# Altium PCB S7CAS-PLEIADES-CARTE-MERE_Pxx.PcbDoc (part 6 of 8)
Units mil, origin at the board's own origin, x right, y up, seen from the top; angles counter-clockwise.
Board outline 8000 x 4000 mil, 14 copper layers (L1, L2 (GND), L3, L4 (GND), L5, L6 (GND), L7 (PWR), L8 (GND), L9 (PWR), L10 (GND), L11 (GND), L12, L13 (GND), L14), stack 81.971 mil thick; 686 components, 434 nets, 2811 pads, 1136 vias.
Unrouted connection lines stored in the file: 1167.
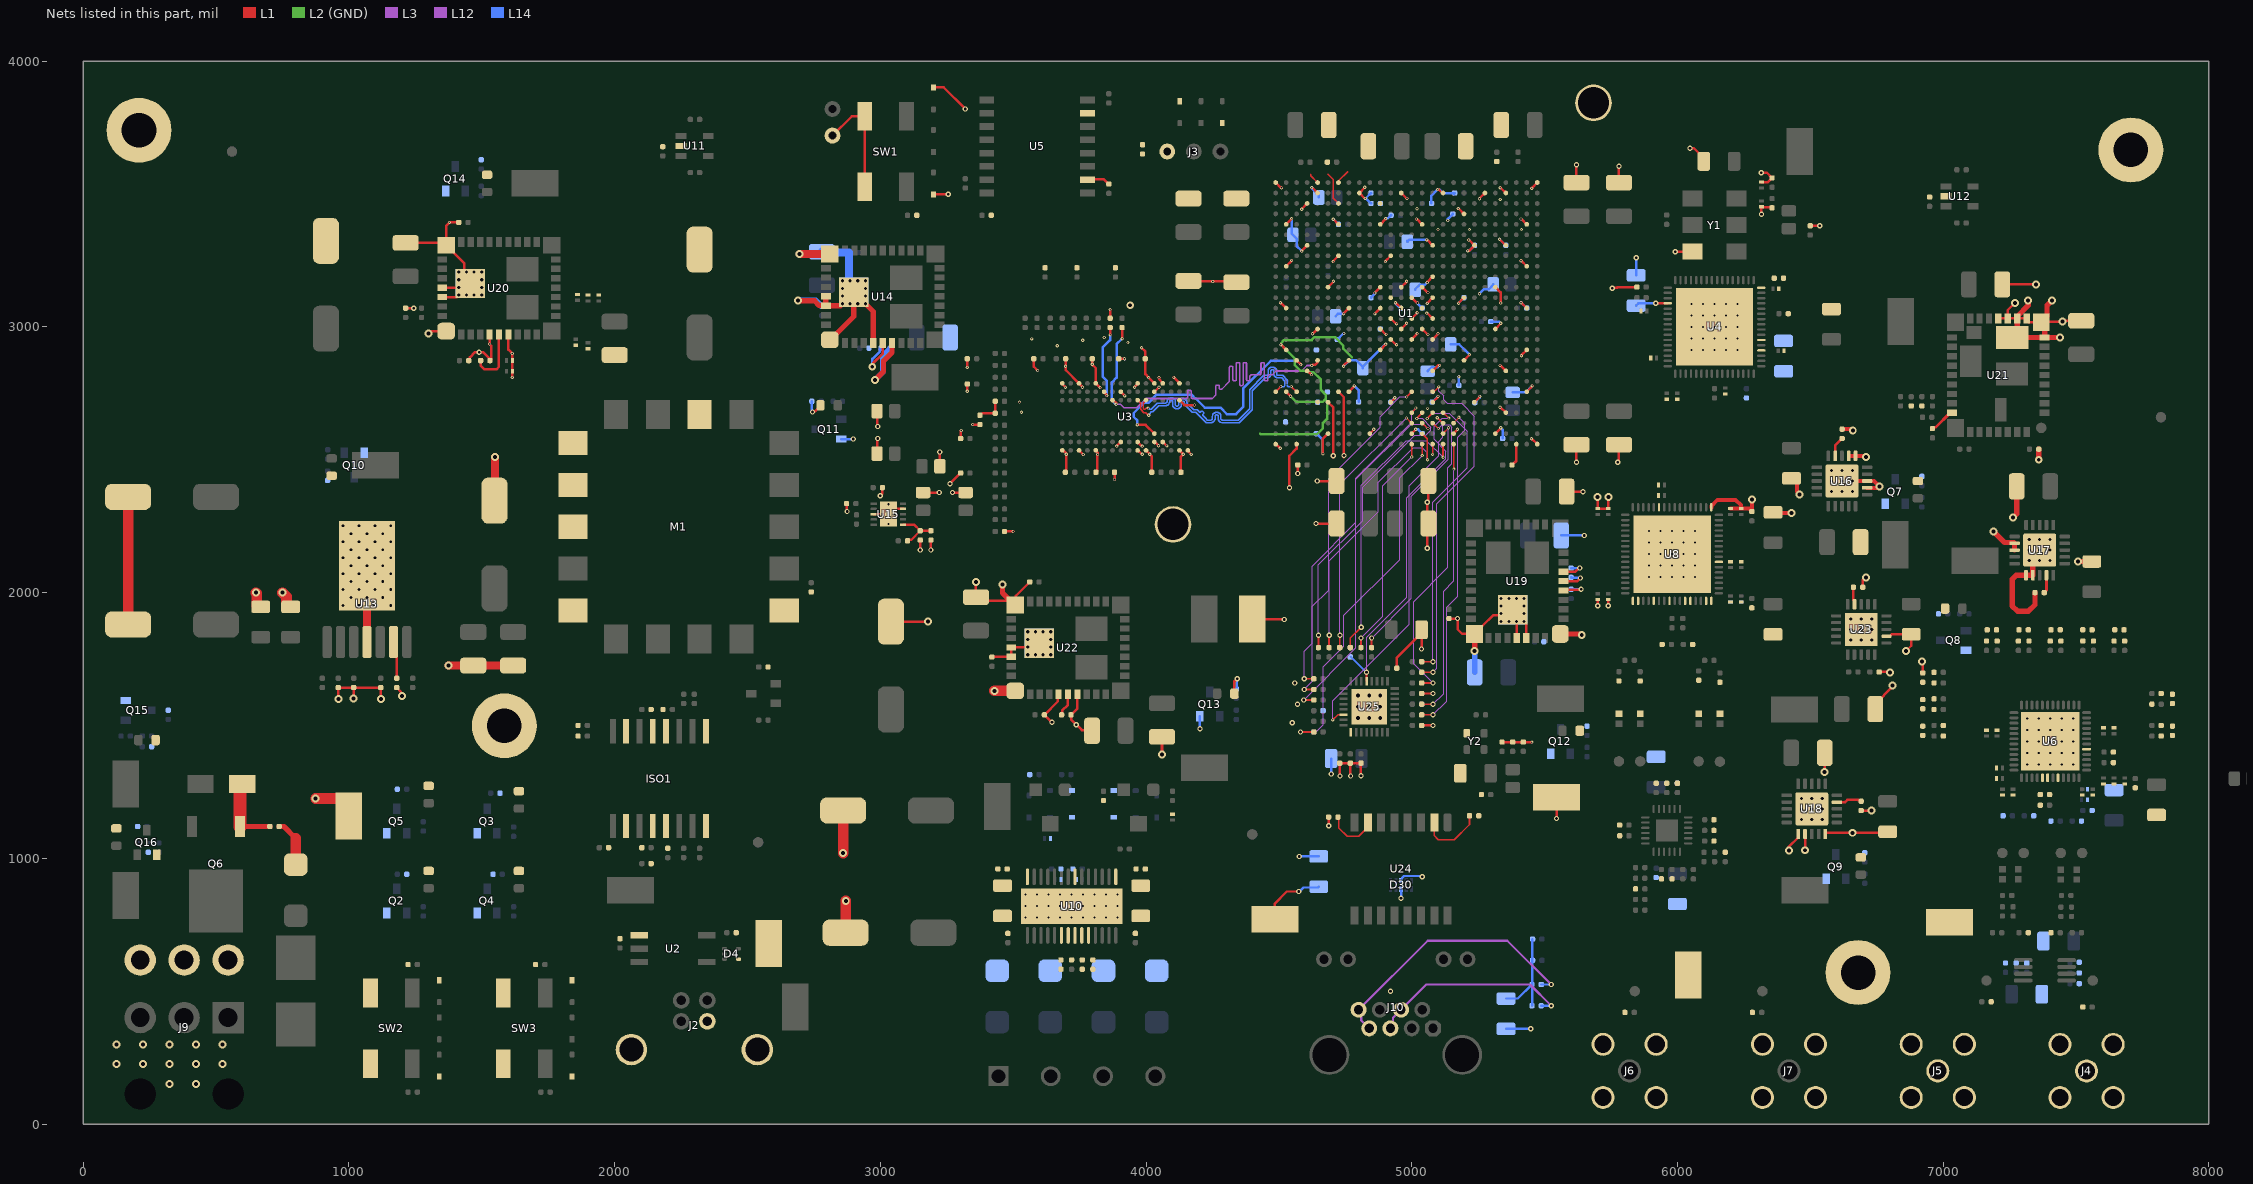
[diagram p17: the nets of this part, all layers, seen from the top]

## Via types
v1: diameter 12, hole 6, L1 to L14, tented both sides, 492 vias
v2: diameter 30, hole 15, L1 to L14, tented both sides, 226 vias
v3: diameter 20, hole 10, L1 to L14, tented both sides, 208 vias
v4: diameter 19.68, hole 7.87, L1 to L14, tented both sides, 106 vias
v5: diameter 19.68, hole 11.81, L1 to L14, tented both sides, 48 vias
v6: diameter 22, hole 12, L1 to L14, tented both sides, 27 vias
v7: diameter 19.68, hole 11.81, L1 to L14, 15 vias
v8: diameter 28, hole 14, L1 to L14, tented both sides, 10 vias
v9: diameter 19.68, hole 7.87, L1 to L14, 4 vias

## Nets (pads, with @x,y where several pads share a name; then routed paths per layer and width w, separated by ;. In a path a pad name is that pad's centre, name@x,y a point inside that pad or via, vN(x,y) a via of type N, cw(c..) or ccw(c..) an arc to the next point about the centre after c; other vN are vias at no path point) (continued)
GND: C1.1 C2.1 C3.1 C4.1 C7.1 C8.1 C9.1 C10.1 C11.1 C12.1 C13.1 C15.1 C16.1 C18.1 C19.1 C20.1 C21.1 C22.1 C23.1 C24.1 C25.1 C26.1 C27.1 C28.1 C29.1 C30.1 C31.1 C32.1 C33.1 C34.1 C35.1 C36.1 C37.1 C38.1 C39.1 C40.1 C41.1 C42.1 C43.1 C44.1 C45.1 C47.1 C48.1 C49.1 C50.1 C51.1 C53.1 C54.1 C55.1 C56.1 C57.1 C59.1 C60.1 C61.1 C62.1 C63.1 C65.1 C66.1 C67.1 C68.1 C69.1 C70.1 C71.1 C72.1 C73.1 C74.1 C75.1 C76.1 C77.1 C78.1 C79.1 C80.1 C81.1 C82.1 C83.1 C84.1 C85.1 C86.1 C87.1 C88.1 C89.1 C90.1 C91.1 C92.1 C93.1 C94.1 C95.1 C97.1 C98.1 C99.1 C100.1 C101.1 C102.1 C103.1 C105.1 C106.1 C107.1 C108.1 C109.1 C110.1 C111.1 C112.1 C113.1 C114.1 C115.1 C116.1 C117.1 C118.1 C119.1 C120.1 C121.1 C122.1 C123.1 C124.1 C125.1 C126.1 C127.1 C128.1 C129.1 C130.1 C133.1 C136.1 C137.1 C138.1 C141.1 C144.1 C145.1 C146.1 C147.1 C149.1 C151.1 C152.1 C153.1 C156.1 C157.1 C158.1 C161.1 C162.1 C164.1 C165.1 C166.1 C167.1 C170.1 C171.1 C172.1 C173.1 C174.1 C175.1 C176.1 C177.1 C178.1 C179.1 C182.1 C183.1 C184.1 C186.1 C187.1 C188.1 C189.1 C190.1 C191.1 C192.1 C194.1 C195.1 C196.1 C197.1 C198.2 C199.2 C200.1 C201.1 C202.1 C203.1 C204.1 C205.1 C206.1 C207.1 C208.1 C209.1 C210.1 C211.1 C212.1 C213.2 C214.2 C215.2 C216.1 C217.1 C219.2 C220.1 C238.1 C239.1 C241.1 C242.1 C243.1 C244.1 C245.1 C246.1 C247.2 C248.1 C249.2 C250.2 C251.1 C252.1 C253.2 C254.1 C255.1 C256.1 C258.1 C259.2 C260.1 C262.1 C264.1 C266.1 C267.2 C268.1 C269.1 C270.1 C271.1 C272.1 C273.1 C274.1 C275.1 C276.1 C277.1 C278.1 C279.1 C280.1 C281.1 C282.1 C283.1 C284.1 C285.1 C286.1 C287.1 C288.1 C289.1 C290.1 C291.1 C292.1 C293.1 C294.1 C295.1 C296.1 C297.1 C298.1 C299.1 C300.1 C301.1 C302.1 C303.1 C304.1 D2.2 D3.2 D6.2 D7.2 D8.2 D9.2 D10.2 D11.2 D14.2 D15.2 D16.2 D17.2 D24.2 D25.2 D26.2 D27.2 D29.2 HEAT1.1 HEAT1.2 ISO1.9 ISO1.15 J1.2 J4.2 J4.3 J4.4 J4.5 J5.2 J5.3 J5.4 J5.5 J6.2 J6.3 J6.4 J6.5 J7.2 J7.3 J7.4 J7.5 J9.4 J9.5 J9.6 M1.1 M1.7 M1.14 MTH1.1 MTH2.1 MTH3.1 MTH4.1 Q2.2 Q3.2 Q4.2 Q5.2 Q7.2 Q8.2 Q9.2 Q10.2 Q11.2 Q12.2 Q13.2 Q14.2 Q15.2 Q16.2 R1.1 R2.1 R3.1 R8.1 R22.1 R24.1 R48.1 R50.1 R53.2 R54.2 R56.1 R63.1 R65.1 R66.1 R83.1 R85.1 R86.1 R91.1 R92.1 R93.1 R97.1 R101.2 R105.1 R109.2 R110.1 R111.1 R114.2 R116.1 R117.1 R119.1 R120.1 R122.2 R139.1 R140.1 R141.1 R142.1 R144.1 R145.1 R147.1 R148.1 R149.1 R150.1 R151.1 R152.1 R154.1 R155.1 R157.1 R161.1 R162.1 R163.1 R164.1 R228.1 R252.1 R253.1 SW1.1 SW1.2 SW2.1 SW2.2 SW3.1 SW3.2 TP8.1 TP12.1 TP27.1 TP34.1 TP35.1 U1.A1 U1.A26 U1.AB2 U1.AB12 U1.AB16 U1.AB20 U1.AB25 U1.AC8 U1.AD23 U1.AE6 U1.AE10 U1.AE14 U1.AE18 U1.AE22 U1.AF1 U1.AF26 U1.B5 U1.B9 U1.B13 U1.B17 U1.B21 U1.D4 U1.E7 U1.E11 U1.E15 U1.E22 U1.F2 U1.F19 U1.F25 U1.H4 U1.H11 U1.H23 U1.J8 U1.J19 U1.K2 U1.K16 U1.K25 U1.L11 U1.L13 U1.L15 U1.M5 U1.M12 U1.M14 U1.M16 U1.M22 U1.N11 U1.N13 U1.N15 U1.P2 U1.P12 U1.P14 U1.P16 U1.P19 U1.P25 U1.R8 U1.R11 U1.R13 U1.R15 U1.T5 U1.T12 U1.T14 U1.T16 U1.T21 U1.U11 U1.V2 U1.V25 U1.W15 U1.W20 U1.Y4 U1.Y7 U1.Y11 U1.Y23 U2.4 U3.A9 U3.B1 U3.B3 U3.B9 U3.D1 U3.D8 U3.E1 U3.E2 U3.E8 U3.F9 U3.G1 U3.G8 U3.G9 U3.J2 U3.J8 U3.M1 U3.M9 U3.P1 U3.P9 U3.T1 U3.T9 U4.36 U4.PAD U5.10 U6.5 U6.41 U6.44 U6.PAD U8.17 U8.18 U8.21 U8.24 U8.27 U8.28 U8.31 U8.32 U8.39 U8.49 U8.59 U8.PAD U10.7 U10.21 U10.PAD U11.2 U12.2 U13.4 U13.8 U14.1 U14.5 U14.7 U14.29 U14.33 U14.34 U14.37 U15.4 U15.8 U15.11 U16.7 U16.8 U16.11 U16.12 U16.E1 U17.7 U17.8 U17.11 U17.12 U17.E1 U18.6 U18.7 U18.10 U18.E1 U19.1 U19.5 U19.7 U19.29 U19.33 U19.34 U19.37 U20.1 U20.5 U20.7 U20.29 U20.33 U20.34 U20.37 U21.10 U21.11 U21.12 U21.13 U21.14 U21.15 U21.39 U22.1 U22.5 U22.7 U22.29 U22.33 U22.34 U22.37 U23.7 U23.21 U25.1 U25.33 U25.34 U25.35 U25.36 U25.37 U25.38 U25.39 U25.40 U25.41 U25.42 Y1.3 Y2.2 | length 21191.7
  L1 w9.39: J1.2@2820,3720 2892.87,3792.87 SW1.2@2941.26,3792.87 SW1.1@2941.26,3527.13 ; D3.2@3200,3498.66 v3(3255.66,3498.66) ; D2.2@3200,3901.34 3238.66,3901.34 v3(3320,3820) ; v2(3360,2040) C260.1@3360,1982.99 3373.02,1969.97 U22.29@3488.81,1969.97 ; R164.1@3420,1757.5 3420.38,1757.88 3492.45,1757.88 U22.34@3492.83,1758.27 U22.33@3492.83,1793.7 3553.46,1793.7 v5(3554.84,1795.08) ; U22.29@3507.6,1953.15 3510.5,1956.05 3510.5,1988 R162.1@3562.5,2040 ; C81.1@3577.5,2880 3577.5,2850.5 v1(3592,2836) ; v3(3646,1511.5) R163.1@3617.5,1540 3667.74,1590.24 3667.74,1614.27 U22.5@3670.98,1617.52 ; v1@3697.47,2851.69 C80.1@3697.5,2880 ; v1@3697.5,2851.5 3698,2851 3698,2837.42 U3.P1@3748.02,2787.4 U3.P1@3748.02,2786.38 ; U22.7@3741.85,1617.52 3741.85,1564.35 C220.1@3717.5,1540 3718.06,1539.44 3718.06,1522.94 3758.9,1482.1 3794.91,1482.1 C262.1@3797.01,1480 ; U5.10@3780,3554 3781,3555 3841.79,3555 3859.29,3537.5 C95.1@3860,3537.5 ; v1(3797.5,2859.5) C75.1@3797.5,2880 ; C79.1@3897.5,2880 v1(3918.99,2880) ; v1(3983.31,2921.69) 3997.5,2907.49 C82.1@3997.5,2880 ; TP27.1@4400,1900 4519,1900 v3(4520,1899) ; U1.A26@4488.18,2559.05 4489.54,2559.05 v1(4505.02,2543.57) ; U1.AF26@4488.18,3543.3 4507.95,3523.53 4509.54,3523.53 v1(4510.04,3523.03) ; v1(4505.69,3091.13) 4506.19,3090.63 4507.78,3090.63 U1.P25@4527.55,3070.86 ; v1(4507.87,2933.07) U1.K25@4527.55,2913.38 ; U1.F25@4527.55,2755.9 4527.55,2755.68 4544,2739.23 v1(4544,2739) ; U1.V25@4527.55,3228.34 4547.32,3248.11 4547.32,3249.7 v1(4547.82,3250.2) ; U1.AB25@4527.55,3385.82 4547.32,3405.59 4547.32,3407.18 v1(4547.82,3407.68) ; v1(4586.02,3285.22) 4586.52,3285.72 4586.52,3287.31 U1.Y23@4606.29,3307.08 ; v1(4586.02,3442.7) 4586.52,3443.2 4586.52,3444.79 U1.AD23@4606.29,3464.56 ; U1.H23@4606.29,2834.64 4608.04,2834.64 4622.29,2820.38 v1(4623,2820.38) ; v1(4623.8,3524.2) 4624.3,3523.7 4625.89,3523.7 U1.AE22@4645.66,3503.93 ; v1(4626.65,2974.04) 4627.12,2974.04 U1.M22@4645.19,2992.12 ; v3(4640,2260) C31.1@4717.01,2260 ; v3(4645,2420) C32.1@4717.01,2420 ; U1.T21@4685.03,3149.6 4704.8,3169.37 4704.8,3170.96 v1(4705.3,3171.46) ; v3(4687.5,1122.5) C238.1@4687.5,1155 ; v1(4704.13,3245.85) 4704.63,3246.35 4704.63,3247.94 U1.W20@4724.4,3267.71 ; v1(4705,3405) 4705.11,3405 4724.29,3385.82 U1.AB20@4724.4,3385.82 ; v3(4730,1310) 4729.05,1310.95 C245.1@4729.05,1358.01 C246.1@4769.05,1358.01 ; v1(4743.5,2852.15) 4744,2852.65 4744,2854.24 U1.J19@4763.77,2874.01 ; v1(4743.5,3049) 4744,3049.5 4744,3051.09 U1.P19@4763.77,3070.86 ; U1.F19@4763.77,2755.9 4783.54,2775.67 4783.54,2777.26 v1(4784.04,2777.76) ; v3(4770,1310) 4769.05,1310.95 C246.1@4769.05,1358.01 ; v3(4809.05,1310.95) C242.1@4809.05,1358.01 C246.1@4769.05,1358.01 ; v1(4823.41,3525.79) 4822.91,3525.29 4822.91,3523.7 U1.AE18@4803.14,3503.93 4822.91,3484.16 4824.5,3484.16 v1(4825,3483.66) ; U1.B17@4842.51,2598.42 4857.02,2612.93 4857.02,2614.5 v1(4857.52,2615) ; v1(4861.61,3049) 4862.11,3049.5 4862.11,3051.09 U1.P16@4881.88,3070.86 ; v1(4861.61,3127.74) 4862.11,3128.24 4862.11,3129.83 U1.T16@4881.88,3149.6 ; U1.K16@4881.88,2913.38 4901.65,2933.15 4901.65,2934.74 v1(4902.15,2935.24) ; U1.M16@4881.88,2992.12 4901.65,2972.35 4903.24,2972.35 v1(4903.74,2971.85) ; U1.AB16@4881.88,3385.82 4901.65,3405.59 4901.65,3407.18 v1(4902.15,3407.68) ; v1(4900.98,3245.85) 4901.48,3246.35 4901.48,3247.94 U1.W15@4921.25,3267.71 ; U1.E15@4921.25,2716.53 4935.76,2731.04 4935.76,2732.61 v1(4936.26,2733.11) ; U1.L15@4921.25,2952.75 4941.02,2932.98 4942.61,2932.98 v1(4943.11,2932.48) ; U1.N15@4921.25,3031.49 4941.02,3011.72 4942.61,3011.72 v1(4943.11,3011.22) ; v1(4938.76,3091.13) 4939.26,3090.63 4940.85,3090.63 U1.P14@4960.62,3070.86 ; C244.1@4944.05,1715.51 4944.05,1755.05 C243.1@5037,1848 ; U1.M14@4960.62,2992.12 4980.39,3011.89 4980.39,3013.48 v1(4980.89,3013.98) ; U1.T14@4960.62,3149.6 4980.39,3169.37 4980.39,3170.96 v1(4980.89,3171.46) ; U1.AE14@4960.62,3503.93 4980.39,3484.16 4981.98,3484.16 v1(4982.48,3483.66) ; U1.B13@4999.99,2598.42 5014.5,2612.93 5014.5,2614.5 v1(5015,2615) ; U1.L13@4999.99,2952.75 5019.76,2972.52 5019.76,2974.11 v1(5020.26,2974.61) ; U1.N13@4999.99,3031.49 5019.76,3051.26 5019.76,3052.85 v1(5020.26,3053.35) ; U1.R13@4999.99,3110.23 5019.76,3090.46 5021.35,3090.46 v1(5021.85,3089.96) ; v1(5017.5,3406.09) 5018,3405.59 5019.59,3405.59 U1.AB12@5039.36,3385.82 ; v3(5037,1788) C243.1@5037,1848 ; C243.1@5037,1860 C243.1@5037,1848 ; R228.1@5037.5,1500 v3(5080,1500) ; U1.M12@5039.36,2992.12 5059.13,2972.35 5060.72,2972.35 v1(5061.22,2971.85) ; U1.T12@5039.36,3149.6 5059.13,3129.83 5060.72,3129.83 v1(5061.22,3129.33) ; v1(5056.87,3051.76) 5057.37,3051.26 5058.96,3051.26 U1.N11@5078.73,3031.49 ; v1(5056.87,3327.35) 5057.37,3326.85 5058.96,3326.85 U1.Y11@5078.73,3307.08 ; v1(5058.46,3088.37) 5058.96,3088.87 5058.96,3090.46 U1.R11@5078.73,3110.23 ; v1(5058.46,3167.11) 5058.96,3167.61 5058.96,3169.2 U1.U11@5078.73,3188.97 ; v3(5058.54,2167.01) 5058.54,2255.55 C56.1@5062.99,2260 5058.54,2264.45 v3(5058.54,2340) ; v3@5062.99,2340 C55.1@5062.99,2420 ; U1.E11@5078.73,2716.53 5098.5,2736.3 5098.5,2737.89 v1(5099,2738.39) ; U1.H11@5078.73,2834.64 5099.09,2855 v1(5105,2855) ; U1.L11@5078.73,2952.75 5098.5,2972.52 5098.5,2974.11 v1(5099,2974.61) ; v1(5097.63,3516.79) 5098.13,3516.29 5103.49,3516.29 5115.85,3503.93 U1.AE10@5118.1,3503.93 ; R149.1@5140,1902.5 v3(5172.5,1902.5) 5172.5,1862.14 5189.64,1845 U19.29@5234.88,1845 ; U1.B9@5157.47,2598.42 5157.47,2599.3 5172.08,2613.91 v1(5172.08,2614.62) ; v1@5174.98,3445.46 v1(5175.23,3445.21) 5175.48,3444.96 5177.07,3444.96 U1.AC8@5196.84,3425.19 ; v1(5176.57,3088.37) 5177.07,3088.87 5177.07,3090.46 U1.R8@5196.84,3110.23 ; U1.J8@5196.84,2874.01 5216.61,2893.78 5216.61,2895.37 v1(5217.11,2895.87) ; v1(5210.69,3285.9) 5215.03,3285.9 U1.Y7@5236.21,3307.08 5216.44,3326.85 5214.85,3326.85 v1(5214.6,3327.1) v1@5214.35,3327.35 ; U19.29@5235.31,1845.43 5263.1,1873.22 5265.07,1873.22 5307.47,1915.62 5360.62,1915.62 U19.37@5380,1935 U19.37@5395.75,1919.25 ; U1.E7@5236.21,2716.53 5255.98,2736.3 5255.98,2737.89 v1(5256.48,2738.39) ; v1(5255.31,3482.07) 5255.81,3482.57 5255.81,3484.16 U1.AE6@5275.58,3503.93 ; U1.B5@5314.95,2598.42 5334.72,2618.19 5334.72,2619.78 v1(5335.22,2620.28) ; U1.M5@5314.95,2992.12 5334.72,3011.89 5334.72,3013.48 v1(5335.22,3013.98) ; U1.T5@5314.95,3149.6 5334.55,3130 5334.55,3090.45 v1(5335,3090) ; v1(5330.82,3330) 5331.11,3330 5354.03,3307.08 U1.Y4@5354.32,3307.08 ; v1(5332.46,2697.43) 5332.96,2696.93 5334.55,2696.93 U1.D4@5354.32,2677.16 ; v1(5332.46,2854.91) 5332.96,2854.41 5334.55,2854.41 U1.H4@5354.32,2834.64 ; U19.33@5395.75,1829.69 U19.37@5395.75,1919.25 ; v1(5411.2,3091.13) 5411.7,3090.63 5413.29,3090.63 U1.P2@5433.06,3070.86 ; v1(5411.2,3248.61) 5411.7,3248.11 5413.29,3248.11 U1.V2@5433.06,3228.34 ; v1(5411.2,3406.09) 5411.7,3405.59 5413.29,3405.59 U1.AB2@5433.06,3385.82 ; v1(5412.79,2891.52) 5413.29,2892.02 5413.29,2893.61 U1.K2@5433.06,2913.38 ; U19.34@5431.18,1829.69 5431.18,1883.82 v5(5423.31,1891.69) U19.37@5395.75,1919.25 ; U1.F2@5433.06,2755.9 5452.83,2775.67 5452.83,2777.26 v1(5453.33,2777.76) ; v1(5450.57,2579.32) 5451.07,2578.82 5452.66,2578.82 U1.A1@5472.43,2559.05 ; v1(5452.16,3521.44) 5452.66,3521.94 5452.66,3523.53 U1.AF1@5472.43,3543.3 ; U19.5@5571.93,2007.83 5574.56,2010.47 5635.47,2010.47 v3(5637.5,2012.5) ; U19.7@5571.93,2078.7 5615.83,2078.7 5629.63,2092.5 v3(5632.5,2092.5) ; C120.1@5582.99,2380 v3(5645,2380) ; v3(5620,2490) C49.1@5620,2557.01 ; C38.1@5620,3542.99 v3(5620,3610) ; v3(5700,1950) C186.1@5700,1974 ; v3(5740,1950) C182.1@5740,1974 ; v3(5755,3145) 5757.03,3147.03 5772.03,3147.03 5775,3150 R53.2@5847.5,3150 ; v3(5775,2490) 5780,2495 C50.1@5780,2557.01 ; C37.1@5780,3542.99 v3(5780,3605) ; v3(5991.69,3283.31) Y1.3@6057.01,3283.31 ; v3(6047.36,3672) 6048.33,3672.97 6061.39,3672.97 6099.27,3635.09 C294.1@6099.27,3623.09 ; v3(6315,3580) 6336.86,3580 C296.1@6356.27,3560.59 6340.77,3545.09 C298.1@6316.27,3545.09 ; v3(6316.27,3423.73) C297.1@6316.27,3452.09 6317.58,3450.78 6353.58,3450.78 C295.1@6356.27,3448.09 ; v2(6420,1030) 6420,1043.9 6454.72,1078.62 U18.6@6454.72,1091.42 ; v2(6480.31,1030.31) U18.7@6480.31,1091.42 ; C304.1@6499.69,3380.81 v3(6535.81,3380.81) ; v2(6554.41,1325.59) C281.1@6554.41,1397.09 ; U18.10@6557.09,1091.42 6557.09,1093.92 6559.28,1096.12 6787.45,1096.12 C280.1@6791.42,1100.09 ; C215.2@6691.42,1179.59 6691.62,1179.79 6729.79,1179.79 v2(6730,1180) ; C219.2@6697.5,2020 6697.5,2047.5 6707,2057 v2(6710,2057) ; C283.1@6744.94,1561.28 6744.94,1580.97 6810,1646.03 v2(6810,1650) ; R161.1@6759.44,1701.28 6798.72,1701.28 v2(6800,1700) ; U23.7@6786.43,1835.69 6799.22,1835.69 6806.53,1843 C282.1@6880,1843 6880,1800 v2(6860,1780) ; v2(6920,1740) 6923.31,1736.69 C99.1@6923.31,1697.5 ; U21.15@7208.03,3032.24 U21.14@7243.46,3032.24 ; C287.1@7222.99,3160 v2(7350,3160) ; v2(7270,3090) 7243.46,3063.46 U21.14@7243.46,3032.24 ; U21.11@7369.45,3017.48 7322.2,3017.48 7314.33,3025.35 U21.12@7314.33,3032.24 U21.13@7278.9,3032.24 U21.14@7243.46,3032.24 ; U21.11@7371.97,3020 v2(7450,3020) 7452.99,3022.99 C286.1@7520,3022.99
  L1 w9.44: v2(960,1600) R140.1@960,1642.5 R139.1@1018.03,1642.5 v2(1018.03,1601.97) ; R139.1@1018.57,1642.5 R141.1@1120,1642.5 v2(1120,1600) ; C209.1@1180,1642.5 1180,1641.81 1196.07,1625.74 1196.07,1613.93 v2(1200,1610) ; R155.1@1213.48,3070.67 v3(1244.33,3070.67) ; C248.1@1213.48,3316.16 1356.94,3316.16 U20.29@1366.08,3307.02 ; v2(1300,2975) 1309.19,2984.19 U20.1@1366.08,2984.19 ; U20.34@1351.31,3112.14 1405.45,3112.14 v5(1413.32,3120.02) U20.37@1440.88,3147.57 ; U20.33@1351.31,3147.57 U20.37@1440.88,3147.57 ; R152.1@1413.48,3393.17 v1(1378.17,3393.17) 1378.17,3392.47 1366.08,3380.38 U20.29@1366.08,3307.02 ; R151.1@1450.98,2873.17 1455.47,2877.65 1455.47,2885.47 1475,2905 v3(1490,2905) 1505,2905 1530.98,2879.02 C217.1@1530.98,2873.17 ; U20.5@1529.46,2971.39 1529.46,2934.84 1535,2929.31 C217.1@1535,2877.19 ; U20.7@1600.33,2971.39 1600.33,2914.67 v1(1615,2900) 1615.24,2899.76 1615.24,2873.4 C275.1@1615.48,2873.17 C271.1@1615.48,2833.17 1615.24,2832.93 1615.24,2810.24 v1(1615,2810) ; C288.1@2872.98,2335.2 2872.98,2307.02 v3(2875,2305) ; U15.8@2975.36,2295.2 v9(3007.84,2295.2) ; C291.1@2987.45,2523.07 2988.72,2524.35 2988.72,2578.72 v3(2990,2580) ; C292.1@2987.45,2683.07 2988.72,2681.79 2988.72,2626.28 v3(2990,2625) ; v3(3000,2365) 3007.98,2372.98 C212.1@3007.98,2395.2 ; v9(3030.48,2332.6) 3048.19,2314.88 U15.4@3085.59,2314.88 ; v3(3150.48,2160.48) C211.1@3150.48,2197.7 ; C290.1@3160.95,2376.57 v3(3221.57,2376.57) ; v3(3190.48,2160.48) R148.1@3190.48,2197.7 ; C293.1@3223.98,2475.2 v3(3223.98,2528.98) ; v3(3262.5,2410) C73.1@3302.5,2450 ; v3(3271.57,2376.57) C289.1@3320.95,2376.57 ; C72.1@3302.5,2580 3302.5,2606.81 3305,2609.31 v1(3305,2610) ; v1(3327.5,2757.5) C71.1@3327.5,2785 ; v1(3327.5,2847.5) C70.1@3327.5,2880 ; v1(3347.5,2632.5) C11.1@3375,2632.5 ; C69.1@3467.5,2230 v1(3500,2230) ; U3.T9@3685.03,2535.43 3687.27,2535.43 3691.41,2531.29 3692.76,2531.29 3699.08,2524.97 3699.08,2521.06 v1(3699.57,2520.57) 3699.57,2455.89 C77.1@3696.5,2452.82 ; U3.T1@3685.03,2787.4 3686.62,2785.81 3686.62,2783.57 3696.36,2773.83 3696.36,2772.75 v1(3696.85,2772.26) ; U3.P9@3748.02,2535.43 v1(3763.77,2519.68) ; U3.P1@3748.02,2786.38 3760.87,2773.53 v1(3760.87,2772.84) ; v1(3797.5,2859.5) 3797.5,2858.81 3811.02,2845.29 U3.M1@3811.02,2787.4 3811.28,2787.4 3827.02,2771.65 v1(3827.28,2771.65) ; U3.M9@3811.02,2535.43 3811.02,2533.19 3818.49,2525.71 v1@3818.49,2519.24 ; C76.1@3811.5,2452.82 3815.99,2457.31 3815.99,2462.21 3817.41,2463.63 3817.41,2519.34 v1(3817.9,2519.83) ; R48.1@3865,3032.5 v1(3865,3065) ; v1(3881.5,2425.5) R50.1@3881.5,2452.82 ; v1(3889.76,2551.18) U3.J8@3905.5,2566.92 ; U3.J2@3905.5,2755.9 3905.5,2755.37 3920.2,2740.68 v1(3920.2,2740.15) ; v1(3957.25,2773.15) 3957.74,2773.64 3957.74,2774.4 3968.5,2785.16 U3.G1@3968.5,2787.4 ; U3.G9@3968.5,2535.43 3970.62,2535.43 3985.31,2520.73 v1(3986.01,2520.73) ; U3.G8@3968.5,2566.92 3983.18,2552.24 3984.25,2552.24 3985.31,2551.18 v1(3986.01,2551.18) ; C82.1@3997.5,2880 3997.5,2822.19 4009.82,2809.87 v1(4009.82,2809.18) 4009.82,2809.12 U3.E1@4031.49,2787.4 U3.E1@4032.2,2787.4 ; U3.F9@3999.99,2535.43 3999.99,2535.17 4014.17,2520.99 v1(4014.17,2520.73) 4014.17,2520.04 4021.5,2512.71 C78.1@4021.5,2452.82 ; U3.E8@4031.42,2568.32 4031.42,2568.06 4046.48,2553.01 v1(4047.17,2553.01) ; U3.E2@4031.49,2755.9 4031.69,2755.9 4048.79,2773 v1(4049,2773) ; v1(4048.82,2809.18) 4049.31,2808.69 4049.31,2803.31 4062.98,2789.64 U3.D1@4062.98,2787.4 ; U3.D8@4062.98,2566.92 4065.69,2564.22 4077.19,2552.72 4078.24,2552.72 v1(4078.73,2552.23) ; v1(4105,2810) 4105,2809.31 4125.98,2788.33 U3.B1@4125.98,2787.4 ; U3.B9@4125.98,2535.43 4125.98,2535.22 4140,2521.2 v1(4140,2520.99) 4140,2520.3 4131.5,2511.8 C83.1@4131.5,2452.82 ; U3.B3@4125.98,2724.4 4144.88,2705.5 4165.3,2705.5 ; U3.A9@4157.47,2535.43 4159.25,2533.65 4159.25,2531.8 4170.34,2520.72 v1(4170.34,2520.02) ; C61.1@4160,3172.99 4161.99,3171 4336.99,3171 C62.1@4340,3167.99 ; 4165.33,2705.53 4181.88,2705.53 v1(4182.36,2706.02) ; v3(4571.29,2448.29) C1.1@4571.29,2480.31 ; v1(4666,2522) 4666,2579.39 U1.B21@4685.03,2598.42 ; C303.1@5340,1437.5 C302.1@5380,1437.5 C301.1@5420,1437.5 v1(5452.5,1437.5) ; v3(5545,1150) TP35.1@5545,1230 ; U20.29@1366.08,3307.02 1368.05,3307.02 1394.82,3280.25 1394.82,3278.31 1435,3238.13 1435,3228.31 1433.76,3227.07 1433.76,3213.72 1426.67,3206.63 v5(1413.32,3206.63) U20.37@1456.63,3163.32 U20.37@1440.88,3147.57
  L1 w10: C259.2@3040,1890.71 v2(3179.29,1890.71) ; v2(4060,1390) C124.1@4060,1457.01 ; v2(5700,2360) C173.1@5700,2316 C177.1@5740,2316 v2(5740,2360)
  L1 w15: U8.49@6127.64,2321.18 6127.64,2326.46 6150,2348.82 6218.68,2348.82 6238.5,2329 6238.5,2317.5 C172.1@6240,2316 ; C176.1@6200,2316 C172.1@6240,2316 ; v2(6280,2350) C178.1@6280,2305 6269,2316 C172.1@6240,2316 ; C179.1@6360,2302 6362,2300 v2(6430,2300) ; C276.1@6429.37,2430 6433.42,2430 6449.38,2414.04 6449.38,2380.62 v2(6460,2370) ; C213.2@6620,2615 6655,2615 v2(6660,2610) ; U16.12@6644.96,2514.49 U16.11@6670.55,2514.49 6705.51,2514.49 v2(6710,2510) ; v6(6658.74,2420) U16.8@6713.86,2420 6740,2420 v2(6760,2400) 6754.41,2394.41 U16.7@6713.86,2394.41
  L1 w20: R142.1@737.5,1120 755,1120 800,1075 ; v2(2690,3100) 2691.91,3098.09 2753.16,3098.09 2769.99,3081.26 2793.43,3081.26 U14.34@2795.24,3079.45 ; U14.33@2795.24,3114.89 U14.34@2795.24,3079.45 ; U14.1@2810,2951.5 2811.97,2951.5 2900.55,3040.08 U14.37@2900.55,3130.63 ; U14.5@2973.39,2938.7 2973.39,3057.8 U14.37@2900.55,3130.63 ; v2(2980,2800) 3012.18,2832.18 3012.18,2872.18 3044.25,2904.25 U14.7@3044.25,2938.7 ; v2(3460,2030) 3460,1998.78 3488.81,1969.97 3505.63,1953.15 U22.29@3507.6,1953.15 ; U19.29@5236.3,1844.45 5237.01,1843.74 v2(5237.01,1780.96) ; U19.1@5559.13,1844.45 5635.55,1844.45 v2(5640,1840) ; v2(7190,2230) 7231.3,2188.7 7265.71,2188.7 U17.7@7268.82,2185.59 U17.8@7268.82,2160 ; U21.39@7260,2960 U21.39@7260.39,2960.39 ; v2(7263.47,2282.05) 7277.01,2295.59 C279.1@7277.01,2400 ; v2(7320,3100) 7320,3080.24 7278.9,3039.13 U21.13@7278.9,3032.24 7278.9,2978.9 U21.39@7260.39,2960.39 ; C214.2@7345.81,2000 7345.81,1954.19 7321.61,1930 7280,1930 7260,1950 7260,2050 7275.51,2065.51 U17.11@7312.13,2065.51 U17.12@7337.72,2065.51 7337.72,2134.41 v6(7363.31,2160) ; v2(7360,2500) R157.1@7360,2540 ; v2(7410,3100) 7390.94,3080.94 7390.94,3038.98 7371.97,3020 U21.11@7369.45,3017.48 7382.24,3004.69 U21.10@7382.24,2960.39 ; v2(7440,2960) 7439.8,2960.2 7382.83,2960.2 7382.64,2960.39 U21.10@7382.24,2960.39 ; v2(7507,2117) C278.1@7559.69,2117 ; U14.34@2795.24,3079.45 2849.37,3079.45 v5(2857.24,3087.33) U14.37@2900.55,3130.63 ; U21.39@7260.39,2960.39 U21.10@7382.24,2960.39